# Altium PCB KlusterLab r2.0.PcbDoc (part 19 of 22) (continued)
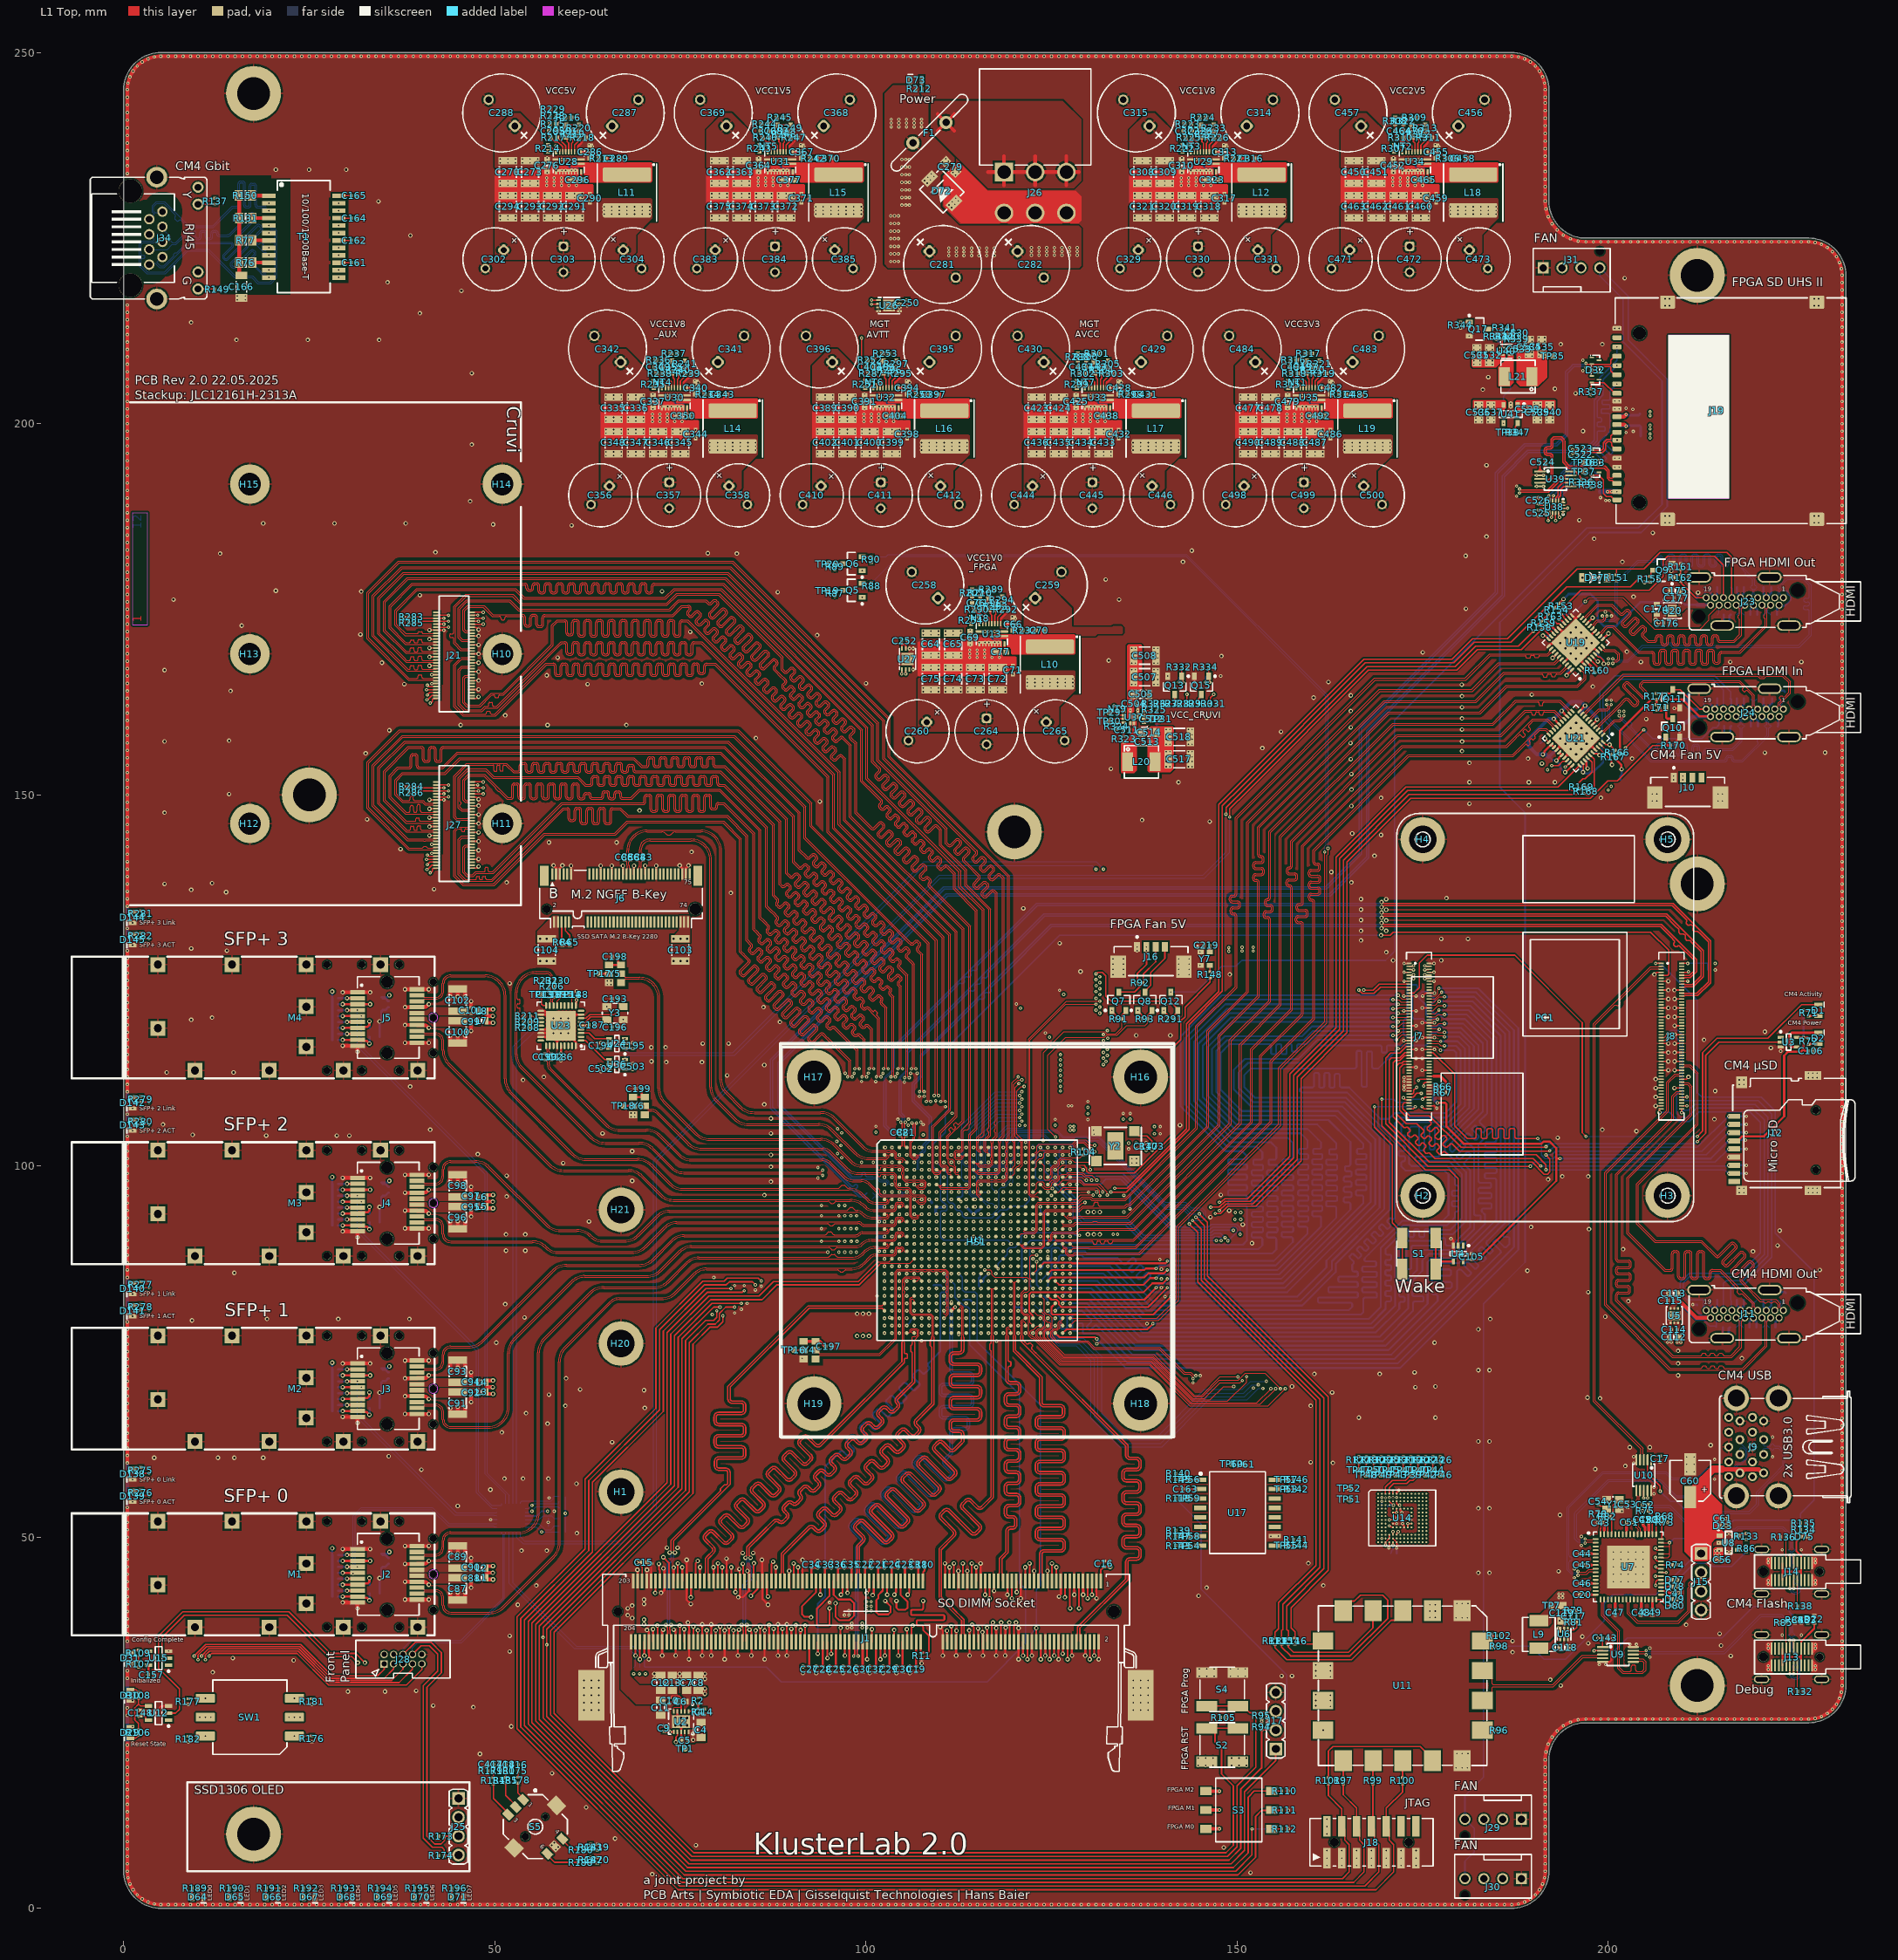
[diagram p0: L1 Top view]
## Nets (pads, with @x,y where several pads share a name; then routed paths per layer and width w, separated by ;. In a path a pad name is that pad's centre, name@x,y a point inside that pad or via, vN(x,y) a via of type N, cw(c..) or ccw(c..) an arc to the next point about the centre after c; other vN are vias at no path point) (continued)
SFP+_2_LOS: J4.8 R52.1 U1.R17 | length 270.4
  L1 Top w0.3: v2(30.1,92.8) J4.8@31.5,92.8
  L3 Inner2 (Sig) w0.1: v2(30.1,92.8) 20.383,92.8 18.3,94.883 18.3,128.4 18.3,129.849 16.9,131.249 16.9,138.551 12.75,142.701 12.75,171.499 20.151,178.9 43.886,178.9 58.649,178.9 111.049,126.5 117.849,126.5 127,117.349 127,113.7 v1(126.2,112.9)
  L10 Inner9 (Sig) w0.1: v1(118.5,88.5) 118.5,88.97 118.875,89.345 118.875,90.125 119.075,90.325 119.075,102.617 120.458,104 122.214,104 123.3,105.086 123.3,110 v1(126.2,112.9)
  L12 Bottom w0.3: R52.1@28.895,92.8 v2(30.1,92.8)
SFP+_2_MOD_ABS: J4.6 R46.1 | length 2.6
  L1 Top w0.3: v2(30.1,94.4) J4.6@31.5,94.4
  L12 Bottom w0.3: R46.1@28.895,94.4 v2(30.1,94.4)
SFP+_2_RS0: J4.7 R47.1 R48.1 | length 5.8
  L1 Top w0.3: v2(29.5,93.6) J4.7@31.5,93.6 31.65,93.75 32.85,93.75 33.1,94 v2(33.1,94.5)
  L12 Bottom w0.3: R47.1@28.895,93.6 v2(29.5,93.6) ; v2(33.1,94.5) 33.113,94.487 33.113,93.613 R48.1@33.125,93.6
SFP+_2_RS1: J4.9 R49.1 R51.1 | length 5.3
  L1 Top w0.3: v2(29.5,92) J4.9@31.5,92 31.65,91.85 32.75,91.85 v2(33.1,91.5)
  L12 Bottom w0.3: R51.1@28.895,92 v2(29.5,92) ; v2(33.1,91.5) 33.113,91.513 33.113,92.388 R49.1@33.125,92.4
SFP+_2_TX_DIS_LS: J4.3 Q3.3 R43.1 | length 5.2
  L1 Top w0.3: v2(29.5,96.8) v2(33.2,96.8)
  L12 Bottom w0.3: R43.1@28.895,96.8 v2(29.5,96.8) ; Q3.3@32.265,96.8 v2(33.2,96.8)
SFP+_2_TX_EN: Q3.1 R50.2 U1.N17 | length 259.4
  L3 Inner2 (Sig) w0.1: v2(35.8,98) 34.7,98 29.6,103.1 29.6,106.2 18.5,117.3 18.5,129.931 17.1,131.331 17.1,138.634 12.95,142.784 12.95,171.416 20.234,178.7 43.803,178.7 58.566,178.7 110.966,126.3 117.766,126.3 126.8,117.266 126.8,114.2 v1(126.2,113.6)
  L10 Inner9 (Sig) w0.1: v1(118.5,90.5) 118.875,90.875 118.875,102.7 120.375,104.2 122.131,104.2 123.1,105.169 123.1,110.5 v1(126.2,113.6)
  L12 Bottom w0.3: R50.2@35.7,97.195 35.65,97.195 35.27,97.575 34.91,97.575 Q3.1@34.735,97.75 35.55,97.75 v2(35.8,98)
SFP+_2_TX_FAULT: J4.2 R42.1 | length 2.6
  L1 Top w0.3: v2(30.1,97.6) J4.2@31.5,97.6
  L12 Bottom w0.3: R42.1@28.895,97.6 v2(30.1,97.6)
SFP+_3_ACT: R282.1 U1.R22 | length 243.5
  L1 Top w0.2: R282.1@2.3,130.605 v1(3.395,130.605)
  L3 Inner2 (Sig) w0.1: v1(3.395,130.605) 5.505,130.605 6.75,131.85 6.75,174.663 17.587,185.5 61.382,185.5 113.782,133.1 120.62,133.1 128.62,125.1 v1(131,125.1)
  L10 Inner9 (Sig) w0.1: v1(123.5,88.5) 123.1,88.9 122.4,88.9 121.9,89.4 121.9,94.603 122.275,94.978 122.275,96.675 122.896,97.296 122.896,98.729 123.267,99.1 123.799,99.1 123.909,99.21 123.909,99.864 124.1,100.055 124.1,103.1 124.7,103.7 124.7,107.8 127,110.1 127,121.4 130.685,125.085 130.985,125.085 v1(131,125.1)
SFP+_3_I2C_SCL: J5.5 R56.1 U22.15 | length 76.6
  L1 Top w0.3: v2(29.5,120.2) J5.5@31.5,120.2
  L12 Bottom w0.1: v1(32,120.2) 32,116.1 49,99.1 49,58.6 51.95,55.65 U22.15@51.95,54.513
  L12 Bottom w0.3: R56.1@28.895,120.2 v2(29.5,120.2)
SFP+_3_I2C_SDA: J5.4 R55.1 U22.14 | length 77.4
  L1 Top w0.3: v2(30.1,121) v1(31.5,121)
  L12 Bottom w0.1: v1(31.5,121) 31.5,116.1 48.7,98.9 48.7,58.5 51.45,55.75 U22.14@51.45,54.513
  L12 Bottom w0.3: R55.1@28.895,121 v2(30.1,121)
SFP+_3_Link: R281.1 U1.R20 | length 240.8
  L1 Top w0.2: R281.1@2.3,133.605 v1(3.395,133.605)
  L3 Inner2 (Sig) w0.1: v1(3.395,133.605) 4.855,133.605 6.55,135.3 6.55,174.746 17.504,185.7 61.465,185.7 113.865,133.3 120.702,133.3 128.502,125.5 v1(131.5,125.5)
  L10 Inner9 (Sig) w0.1: v1(121.5,88.5) 121.125,88.875 121.125,90.655 121.5,91.03 121.5,94.486 122.075,95.061 122.075,101.03 122.3,101.255 122.3,101.755 122.9,102.355 122.9,102.989 124.5,104.589 124.5,107.883 126.8,110.183 126.8,121.617 130.683,125.5 v1(131.5,125.5)
SFP+_3_LOS: J5.8 R63.1 U1.R16 | length 244.5
  L1 Top w0.3: v2(30.1,117.8) J5.8@31.5,117.8
  L3 Inner2 (Sig) w0.1: v2(30.1,117.8) 20.383,117.8 18.7,119.483 18.7,130.014 17.3,131.414 17.3,138.717 13.15,142.867 13.15,171.333 20.317,178.5 43.72,178.5 58.483,178.5 110.883,126.1 117.683,126.1 126.6,117.183 126.6,114.6 126.508,114.508 126.503,114.508 126.295,114.3 v1(126.2,114.3)
  L10 Inner9 (Sig) w0.1: v1(117.5,88.5) 118.1,89.1 118.1,102.7 119.8,104.4 122.049,104.4 122.9,105.251 122.9,111 v1(126.2,114.3)
  L12 Bottom w0.3: R63.1@28.895,117.8 v2(30.1,117.8)
SFP+_3_MOD_ABS: J5.6 R57.1 | length 2.6
  L1 Top w0.3: v2(30.1,119.4) J5.6@31.5,119.4
  L12 Bottom w0.3: R57.1@28.895,119.4 v2(30.1,119.4)
SFP+_3_RS0: J5.7 R58.1 R59.1 | length 5.8
  L1 Top w0.3: v2(29.5,118.6) J5.7@31.5,118.6 31.65,118.75 32.85,118.75 33.1,119 v2(33.1,119.5)
  L12 Bottom w0.3: R58.1@28.895,118.6 v2(29.5,118.6) ; v2(33.1,119.5) 33.113,119.488 33.113,118.613 R59.1@33.125,118.6
SFP+_3_RS1: J5.9 R60.1 R62.1 | length 5.3
  L1 Top w0.3: v2(29.5,117) J5.9@31.5,117 31.65,116.85 32.75,116.85 v2(33.1,116.5)
  L12 Bottom w0.3: R62.1@28.895,117 v2(29.5,117) ; v2(33.1,116.5) 33.113,116.513 33.113,117.388 R60.1@33.125,117.4
SFP+_3_TX_DIS_LS: J5.3 Q4.3 R54.1 | length 5.2
  L1 Top w0.3: v2(29.5,121.8) v2(33.2,121.8)
  L12 Bottom w0.3: R54.1@28.895,121.8 v2(29.5,121.8) ; Q4.3@32.265,121.8 v2(33.2,121.8)
SFP+_3_TX_EN: Q4.1 R61.2 U1.P16 | length 242.3
  L3 Inner2 (Sig) w0.1: v2(35.8,123) 34.7,123 33.7,124 20.4,124 18.9,125.5 18.9,126.7 18.9,130.097 17.5,131.497 17.5,138.8 13.35,142.95 13.35,171.25 20.4,178.3 58.4,178.3 110.8,125.9 117.6,125.9 126.4,117.1 126.4,115.2 v1(126.2,115)
  L10 Inner9 (Sig) w0.1: v1(117.5,89.5) 117.9,89.9 117.9,102.783 119.717,104.6 121.966,104.6 122.7,105.334 122.7,111.5 v1(126.2,115)
  L12 Bottom w0.3: R61.2@35.7,122.195 35.65,122.195 35.27,122.575 34.91,122.575 Q4.1@34.735,122.75 35.55,122.75 v2(35.8,123)
SFP+_3_TX_FAULT: J5.2 R53.1 | length 2.6
  L1 Top w0.3: v2(30.1,122.6) J5.2@31.5,122.6
  L12 Bottom w0.3: R53.1@28.895,122.6 v2(30.1,122.6)
SI5324_\R\S\T\: U23.1 U36.4 | length 4.8
  L1 Top w0.15: U23.1@61.61,116.9 62.227,116.9 64.777,114.35 U36.4@65.375,114.35
SI5324_\R\S\T\_LS: U1.V22 U36.3 | length 148.8
  L3 Inner2 (Sig) w0.1: v1(123.5,85.5) 123.9,85.9 123.9,88.717 123.717,88.9 123.217,88.9 122.9,89.217 122.9,89.717 122.692,89.925 122.266,89.925 121.9,90.291 121.9,92.8 122.2,93.1 126.5,93.1 127.125,92.475 127.125,90.345 127.37,90.1 132.6,90.1 v1(133.3,90.8)
  L10 Inner9 (Sig) w0.1: v1@131.002,139.998 131.9,139.1 131.9,121.1 133,120 133,113.876 132.75,113.626 132.75,113.354 132.4,113.004 132.4,110.442 133.2,109.642 133.2,106.8 133.7,106.3 133.7,97.45 133.9,97.25 133.9,91.8 133.3,91.2 v1(133.3,90.8)
  L12 Bottom w0.1: v1(67.525,114.35) 68.075,114.9 82.305,114.9 107.902,140.498 130.502,140.498 v1@131.002,139.998
  other v1: 131.002,139.999
SI5324_I\N\I\T\: U23.3 U24.4 | length 4.1
  L1 Top w0.15: U23.3@61.61,117.9 62.7,117.9 63.45,117.15 U24.4@65.375,117.15
SI5324_I\N\I\T\_LS: U1.V24 U24.3 | length 152.2
  L3 Inner2 (Sig) w0.1: v1(125.5,85.5) 124.7,85.5 124.1,86.1 124.1,88.8 123.8,89.1 123.3,89.1 123.1,89.3 123.1,89.8 122.775,90.125 122.349,90.125 122.1,90.374 122.1,92.7 122.3,92.9 126.417,92.9 126.925,92.392 126.925,90.262 127.287,89.9 133,89.9 v1(133.9,90.8)
  L10 Inner9 (Sig) w0.1: v1@132.002,139.998 132.002,139.28 132.1,139.183 132.1,121.2 133.2,120.1 133.2,113.793 132.95,113.543 132.95,113.271 132.6,112.921 132.6,110.525 133.4,109.725 133.4,106.9 133.7,106.6 133.7,106.583 133.9,106.383 133.9,97.7 134.1,97.5 134.1,91.6 133.9,91.4 v1(133.9,90.8)
  L12 Bottom w0.1: v1(67.525,117.152) 67.525,115.759 68.034,115.25 82.05,115.25 107.8,141 131,141 v1@132,140
  other v1: 132.002,139.999
SI5324_OUT_N: C192.1 U23.29 | length 1.3
  L1 Top w0.114: U23.29@57.4,116.19 57.4,115.86 57.27,115.73 57.27,115.531 57.32,115.481 57.32,115.295 57.387,115.228 57.467,115.228 C192.1@57.6,115.095
SI5324_OUT_P: C190.1 U23.28 | length 1.3
  L1 Top w0.114: C190.1@56.8,115.095 56.933,115.228 57.013,115.228 57.08,115.295 57.08,115.4 57.03,115.45 57.03,115.73 56.9,115.86 U23.28@56.9,116.19
SI5324_REFCLK_N: C192.2 R17.2 U1.K5 | length 60.9
  L1 Top w0.1: 100.9,97.31 100.9,97.3 101.127,97.073 101.235,96.965 101.271,96.929 ccw(c101.368,97.027) 101.465,96.929 101.472,96.937 cw(c101.569,96.839) 101.667,96.937 101.861,96.742 cw(c101.764,96.645) 101.861,96.548 101.854,96.54 ccw(c101.951,96.443) 101.854,96.346 102.088,96.113 102.1,96.1 103.334,96.1 105.749,96.1 106.1,95.749 106.1,94.749 106.1,93.3 106.3,93.1 106.841,93.1 106.9,93.159 106.9,93.365 106.841,93.423 106.577,93.423 v1(106.5,93.5)
  L1 Top w0.114: 57.359,114.144 57.354,114.139 ccw(c57.434,114.058) 57.32,114.058 57.32,113.742 ccw(c58.196,113.742) 57.577,113.123 65.008,105.692 ccw(c66.822,107.506) 66.822,104.941 70.397,104.941 cw(c70.397,102.135) 72.381,104.119 74.929,101.571 ccw(c76.45,103.091) 76.449,100.941 94.064,100.941 cw(c94.064,99.164) 95.32,100.42 96.971,98.769 97.029,98.712 ccw(c98.457,100.14) 98.457,98.12 99.36,98.12 cw(c99.36,96.36) 100.605,97.605 100.9,97.31 ; 57.359,114.144 cw(c57.427,114.076) 57.427,114.172 ccw(c57.427,114.268) 57.495,114.2 C192.2@57.6,114.305
SI5324_REFCLK_P: C190.2 R17.1 U1.K6 | length 61.3
  L1 Top w0.1: 100.73,97.139 100.739,97.139 100.9,96.979 101.979,95.9 105.666,95.9 105.9,95.666 105.9,94.666 105.9,93.217 106.217,92.9 106.924,92.9 107.1,93.076 107.1,93.365 107.159,93.423 107.423,93.423 v1(107.5,93.5)
  L1 Top w0.114: C190.2@56.8,114.305 56.905,114.2 ccw(c56.973,114.268) 56.973,114.172 cw(c56.973,114.076) 57.041,114.144 57.046,114.139 cw(c56.966,114.058) 57.08,114.058 57.08,113.634 ccw(c57.934,113.634) 57.33,113.03 64.838,105.522 ccw(c66.822,107.506) 66.822,104.7 70.397,104.7 cw(c70.397,102.135) 72.211,103.949 74.759,101.4 ccw(c76.45,103.091) 76.449,100.7 94.064,100.7 cw(c94.064,99.164) 95.15,100.25 96.929,98.471 ccw(c98.357,99.899) 98.357,97.88 99.36,97.88 cw(c99.36,96.36) 100.435,97.435 100.73,97.139
SI5324_SCL: R209.1 U22.17 U23.22 | length 67.5
  L1 Top w0.114: R209.1@54.795,119.4 U23.22@56.19,119.4
  L12 Bottom w0.114: U22.17@52.95,54.513 52.95,115.75 55.5,118.3 55.5,118.9 v1(55,119.4)
SI5324_SDA: R208.1 U22.16 U23.23 | length 66.7
  L1 Top w0.114: R208.1@54.795,118.6 v1(54.973,118.6) 55.15,118.6 55.45,118.9 U23.23@56.19,118.9
  L12 Bottom w0.1: U22.16@52.45,54.513 52.45,116.077 v1(54.973,118.6)
SMBUSz: TP28.1 U7.39 | length 0.7
  L1 Top w0.15: U7.39@207.1,45.25 v1(207.8,45.25)
Switch_0: R176.2 SW1.1 U1.E25 | length 341.9
  L1 Top w0.1: R176.2@25.315,23.21 R176.2@25.35,23.245 ; U1.E25@126.5,98.5 126.934,98.5 127.334,98.9 129.064,98.9 129.447,98.517 129.983,98.517 v1(130.4,98.1)
  L1 Top w0.15: v1(23,23.21) R176.2@25.315,23.21
  L3 Inner2 (Sig) w0.1: v1(23,23.21) 24.4,24.61 24.4,28.2 23.45,29.15 16.081,29.15 13.9,31.331 13.9,44.177 13.1,44.977 13.1,54.6 13.9,55.4 13.9,69.177 13.1,69.977 13.1,79.6 13.9,80.4 13.9,94.177 13.1,94.977 13.1,104.6 13.9,105.4 13.9,119.177 13.1,119.977 13.1,138.675 10.15,141.625 10.15,172.576 19.074,181.5 44.963,181.5 59.725,181.5 112.125,129.1 118.949,129.1 131.149,116.9 v1(132,116.9)
  L10 Inner9 (Sig) w0.1: v1(130.4,98.1) 131.9,99.6 131.9,105.3 131.4,105.8 131.4,108.897 130.6,109.697 130.6,115.8 131.685,116.885 131.985,116.885 v1(132,116.9)
Switch_1: R177.2 SW1.2 U1.E26 | length 328.7
  L1 Top w0.1: U1.E26@127.5,98.5 129.1,98.5 129.5,98.1 v1(129.7,98.1)
  L1 Top w0.15: R177.2@8.7,28.245 10.955,28.245 v1(11,28.29)
  L3 Inner2 (Sig) w0.1: v1(11,28.29) 11,28.634 13.7,31.334 13.7,44.094 12.9,44.894 12.9,54.7 13.7,55.5 13.7,69.094 12.9,69.894 12.9,79.7 13.7,80.5 13.7,94.094 12.9,94.894 12.9,104.7 13.7,105.5 13.7,119.094 12.9,119.894 12.9,138.592 9.95,141.542 9.95,172.658 18.992,181.7 45.046,181.7 59.808,181.7 112.208,129.3 119.031,129.3 131.031,117.3 132.155,117.3 132.205,117.25 132.55,117.25 v1(132.58,117.22)
  L10 Inner9 (Sig) w0.1: v1(129.7,98.1) 131.7,100.1 131.7,105.2 131.2,105.7 131.2,108.814 130.4,109.614 130.4,115.883 131.792,117.275 132.525,117.275 v1(132.58,117.22)
Switch_2: R181.2 SW1.4 U1.D25 | length 342.8
  L1 Top w0.1: R181.2@25.305,28.29 R181.2@25.35,28.245 ; U1.D25@126.5,99.5 126.9,99.9 128.862,99.9 v1(129.268,99.494)
  L1 Top w0.15: v1(23,28.29) R181.2@25.305,28.29
  L3 Inner2 (Sig) w0.1: v1(23,28.29) 21.81,27.1 11.3,27.1 10.45,27.95 10.45,28.561 13.5,31.611 13.5,44.011 12.7,44.811 12.7,54.8 13.5,55.6 13.5,69.011 12.7,69.811 12.7,79.8 13.5,80.6 13.5,94.011 12.7,94.811 12.7,104.8 13.5,105.6 13.5,119.011 12.7,119.811 12.7,138.509 9.75,141.459 9.75,172.741 18.909,181.9 45.128,181.9 59.891,181.9 112.291,129.5 119.114,129.5 130.914,117.7 v1(132,117.7)
  L10 Inner9 (Sig) w0.1: v1(129.268,99.494) 129.662,99.1 130.4,99.1 131.5,100.2 131.5,105.1 131,105.6 131,108.731 130.2,109.531 130.2,115.966 131.934,117.7 v1(132,117.7)
Switch_3: R182.2 SW1.8 U1.C22 | length 343.8
  L1 Top w0.1: U1.C22@123.5,100.5 124,100 124,98.25 124.15,98.1 124.693,98.1 125.1,98.507 125.1,99.666 125.334,99.9 125.8,99.9 126.1,100.2 126.1,100.666 126.334,100.9 127.666,100.9 128.066,100.5 129.9,100.5 130.21,100.19 130.21,99.506 v1(130.226,99.49)
  L1 Top w0.15: R182.2@8.7,23.195 10.985,23.195 v1(11,23.21)
  L3 Inner2 (Sig) w0.1: v1(11,23.21) 9.632,24.578 9.632,28.194 13.3,31.861 13.3,43.928 12.5,44.728 12.5,54.9 13.3,55.7 13.3,68.928 12.5,69.728 12.5,79.9 13.3,80.7 13.3,93.928 12.5,94.728 12.5,104.9 13.3,105.7 13.3,118.928 12.5,119.728 12.5,138.426 9.55,141.376 9.55,172.824 18.826,182.1 45.211,182.1 ; 45.211,182.1 59.974,182.1 112.374,129.7 119.203,129.7 130.703,118.2 132.5,118.2 v1(132.53,118.23)
  L10 Inner9 (Sig) w0.1: v1(130.226,99.49) 131.3,100.563 131.3,105 130.8,105.5 130.8,108.648 130,109.448 130,116.23 131.995,118.225 132.525,118.225 v1(132.53,118.23)
SYS_FAN_PWM: Q12.2 R291.1 U1.C19 | length 46.8
  L1 Top w0.15: v1(131,125.9) 131.051,125.9 131.238,126.087 131.832,126.087 132.329,125.589 132.329,122.888 133.017,122.2 140.921,122.2 141.756,121.365 141.775,121.365 142.025,121.115 Q12.2@142.025,120.965 142.025,120.815 141.475,120.265 141.475,119.805 R291.1@141.47,119.8
  L10 Inner9 (Sig) w0.1: v1(120.5,100.5) 120.567,100.567 120.567,100.967 120.956,101.356 120.956,102.436 121.345,102.825 121.655,102.825 122.23,103.4 122.463,103.4 123.9,104.837 123.9,109.1 125.913,111.113 126.343,111.113 126.6,111.37 126.6,121.9 130.535,125.835 130.935,125.835 v1(131,125.9)
TEMP_I2C_SCL: Q6.3 R89.1 TP20.1 U26.2 U27.2 | length 136.6
  L1 Top w0.15: TP20.1@94.8,181.1 94.82,181.12 95.782,181.12 v1(95.802,181.14) Q6.3@97.005,181.14 ; v1(100.752,216.1) 100.777,216.125 101.662,216.125 U26.2@101.688,216.15 ; v1(105.35,166.3) U27.2@105.35,166.888 U27.2@105.375,166.863
  L10 Inner9 (Sig) w0.15: v1@95.792,181.13 96.85,180.072 96.85,176.504 97.704,175.65 102.25,175.65 104.05,173.85 104.05,168 105.35,166.7 v1(105.35,166.3) ; v1(100.752,216.1) 100.752,214.894 101.718,213.928 133.651,213.928 142.963,204.616 142.963,188.207 120.356,165.6 106.05,165.6 v1(105.35,166.3) ; v1@105.35,166.284 v1(105.35,166.3)
TEMP_I2C_SCL_LS: Q6.2 R90.1 U1.AE26 | length 176.6
  L1 Top w0.1: R90.1@100.697,182.1 v1(100.7,182.097) ; U1.AE26@127.5,78.5 128.221,79.221 139.421,79.221 142.1,81.9 142.1,91.7 155.891,105.491 155.891,113.091 162.1,119.3 162.1,141.871 162.25,142.021 v1(162.25,142.8)
  L1 Top w0.15: Q6.2@99.485,182.1 R90.1@100.697,182.1
  L12 Bottom w0.1: v1(100.7,182.097) 102.697,182.097 103,182.4 143.2,182.4 162.25,163.35 v1(162.25,142.8)
TEMP_I2C_SDA: Q5.3 R87.1 TP19.1 U26.1 U27.1 | length 134.9
  L1 Top w0.15: TP19.1@94.8,177.473 94.836,177.509 95.766,177.509 v1(95.802,177.545) 97.01,177.545 Q5.3@97.015,177.55 ; v1(100.752,216.65) U26.1@101.688,216.65 ; v1(104.8,166.3) 104.825,166.325 104.825,166.863 U27.1@104.85,166.888
  L10 Inner9 (Sig) w0.15: v1(95.802,177.545) 96.45,176.895 96.45,176.4 97.526,175.324 102.083,175.324 103.691,173.715 103.691,167.859 104.8,166.75 v1(104.8,166.3) 104.8,166.284 105.834,165.25 120.501,165.25 143.35,188.099 143.35,204.874 133.924,214.3 101.9,214.3 101.19,215.01 101.19,216.228 100.768,216.65 v1(100.752,216.65)
TEMP_I2C_SDA_LS: Q5.2 R88.1 U1.AD26 | length 176.7
  L1 Top w0.1: R88.1@100.703,178.5 v1(100.75,178.547) ; U1.AD26@127.5,79.5 139.2,79.5 141.8,82.1 141.8,91.824 155.591,105.615 155.591,113.215 161.8,119.424 v1(161.8,142.3)
  L1 Top w0.15: Q5.2@99.485,178.5 R88.1@100.703,178.5
  L12 Bottom w0.1: v1(100.75,178.547) 104.353,182.15 143.096,182.15 162,163.246 162,143.249 161.8,143.049 v1(161.8,142.3)
UART_USB_C\T\S\: R113.2 U1.F18 | length 100.6
  L1 Top w0.166: v1(143.55,92.2) 144.7,91.05 144.7,84.35 160.6,68.45 160.6,46.2 155.584,41.184 155.584,37.684 155.1,37.2 R113.2@155.1,36.395
  L12 Bottom w0.1: v1(119.5,97.5) 119.8,97.8 119.8,100.9 120.1,101.2 120.1,103.4 120.733,104.033 123.967,104.033 124.72,103.28 131.271,103.28 140.351,94.2 142.732,94.2 143.55,93.382 v1(143.55,92.2)
UART_USB_R\T\S\: R114.2 U1.B17 | length 101.6
  L1 Top w0.166: v1(144.45,93.1) 145.6,91.95 145.6,84.864 161.7,68.764 161.7,45.744 156.684,40.729 156.684,37.566 156.9,37.35 R114.2@156.9,36.395
  L12 Bottom w0.1: v1(118.5,101.5) 118.9,101.9 118.9,103.9 119.7,104.7 125.566,104.7 126.472,103.794 130.418,103.794 130.487,103.725 130.963,103.725 131.032,103.794 131.323,103.794 140.317,94.8 142.984,94.8 143.733,94.051 145.113,94.051 145.45,93.714 145.45,93.3 145.25,93.1 v1(144.45,93.1)
UART_USB_RxD: R115.2 U1.A17 | length 101.9
  L1 Top w0.166: v1(144,92.65) 145.15,91.5 145.15,84.607 161.166,68.591 161.166,45.966 156.15,40.95 156.15,37.55 156,37.4 R115.2@156,36.395
  L12 Bottom w0.1: v1(118.5,102.5) 118.5,103.883 119.517,104.9 125.649,104.9 126.543,104.005 130.49,104.005 130.57,103.925 130.88,103.925 130.96,104.005 131.395,104.005 140.3,95.1 143.082,95.1 143.844,94.339 145.307,94.339 145.759,93.887 145.759,93.083 145.326,92.65 v1(144,92.65)
UART_USB_TxD: R116.2 U1.K15 | length 108.4
  L1 Top w0.166: v1(144.9,93.55) 146,92.45 146,85.171 162.266,68.906 162.266,45.51 157.25,40.494 157.25,37.775 157.8,37.225 R116.2@157.8,36.395
  L12 Bottom w0.1: v1(116.5,93.5) 117.05,93.5 117.9,94.35 117.9,96.8 118.2,97.1 118.7,97.1 119,97.4 119,97.6 119.5,98.1 119.5,100.9 119.9,101.3 119.9,103.483 120.651,104.233 124.067,104.233 124.82,103.48 131.354,103.48 140.334,94.5 142.832,94.5 143.782,93.55 v1(144.9,93.55)
USB_CM4Flash_N: D81.1 J14.A6 J14.B6 U10.8 | length 36
  L1 Top w0.146: v1(204.76,55.299) 204.773,55.312 U10.8@204.773,56.27 ; v1(224.45,47.6) 224.463,47.588 224.463,46.508 J14.A6@224.475,46.496 ; J14.B6@224.975,44.221 224.988,44.208 224.988,43.129 v1(225,43.116)
  L12 Bottom w0.146: v1(204.76,55.299) 204.76,55.217 204.899,55.078 204.899,54.694 205.583,54.01 208.24,54.01 210.423,51.827 213.323,51.827 214.3,50.85 217.186,50.85 217.496,51.16 223.44,51.16 224.588,50.012 224.588,49.45 224.588,48.588 224.502,48.502 224.477,48.502 D81.1@224.275,48.3 224.477,48.098 224.535,48.098 224.588,48.045 224.588,47.82 224.45,47.682 v1(224.45,47.6) 224.45,47.518 224.588,47.38 224.588,46.075 225.6,45.063 225.6,44.828 225.6,44.487 cw(c225.454,44.487) 225.454,44.34 225.187,44.34 ccw(c225.187,44.204) 225.051,44.204 225.051,43.931 ccw(c225.187,43.931) 225.187,43.794 225.454,43.794 cw(c225.454,43.648) 225.6,43.648 225.6,43.574 225.6,42.808 225.39,42.598 225.006,42.598 224.848,42.757 224.848,42.882 225,43.034 v1(225,43.116)
USB_CM4Flash_P: D76.1 J14.A7 J14.B7 U10.9 | length 36
  L1 Top w0.146: U10.9@205.298,56.271 205.298,55.311 v1(205.31,55.299) ; v1(224.45,43.116) 224.463,43.129 224.463,44.208 J14.B7@224.475,44.221 ; J14.A7@224.975,46.496 224.988,46.508 224.988,47.588 v1(225,47.6)
  L12 Bottom w0.146: v1(205.31,55.299) 205.31,55.217 205.172,55.078 205.172,54.807 205.696,54.283 208.353,54.283 210.536,52.1 213.436,52.1 214.413,51.123 217.073,51.123 217.383,51.433 223.553,51.433 223.633,51.353 224.862,50.124 224.862,49.45 224.862,48.588 224.948,48.502 224.973,48.502 D76.1@225.175,48.3 224.973,48.098 224.915,48.098 224.862,48.045 224.862,47.82 225,47.682 v1(225,47.6) 225,47.518 224.862,47.38 224.862,46.188 225.873,45.176 225.873,44.372 225.873,42.704 225.508,42.338 224.918,42.338 224.602,42.654 224.602,42.882 224.45,43.034 v1(224.45,43.116)
USB_HUB_RST: C52.1 R75.1 U7.50 | length 4.2
  L1 Top w0.15: C52.1@205.395,54.35 205.395,53.5 205.522,53.373 205.537,53.373 205.95,52.96 U7.50@205.95,50.4
USB_MUX_SEL: C55.1 R83.2 R84.2 U9.2 | length 33
  L1 Top w0.166: v1(198.1,34.7) U9.2@199.233,34.7 ; v1(225.16,39.213) R83.2@226.86,39.213
  L12 Bottom w0.166: v1(198.1,34.7) 200.9,34.7 202.6,36.4 215.3,36.4 219.55,40.65 223.723,40.65 v1(225.16,39.213)
USB_OVRCURR: R133.2 U7.43 U7.44 U7.46 U7.47 U8.5 | length 19.6
  L1 Top w0.146: U7.43@207.1,47.25 208.05,47.25 208.25,47.45 208.25,47.75 ; U7.44@207.1,47.75 208.25,47.75 ; U7.46@207.1,48.75 208.128,48.75 ; U7.47@207.1,49.25 v1(208.25,49.25) 208.25,48.872 ; 208.25,47.628 208.128,47.75 ; 208.25,48.628 208.128,48.75 ; U8.5@217.45,50.2 217.6,50.35 218,50.35 218.065,50.415 218.52,50.415 v1(218.6,50.495) ; 208.128,47.75 208.25,47.872 208.25,47.75 ; 208.128,47.75 208.25,47.75 ; 208.128,48.75 208.25,48.75 ; 208.128,48.75 208.25,48.872 ; 208.25,47.75 208.25,48.75 ; 208.25,48.75 208.25,48.872
  L12 Bottom w0.15: v1(208.25,49.25) 208.85,49.85 217.955,49.85 v1(218.6,50.495)
USB_PWR_EN: D77.2 D78.2 D79.2 D80.2 R86.2 U8.4 | length 16.4
  L1 Top w0.146: U8.4@217.45,48.3 218,48.3 218.15,48.15 218.505,48.15 v1(218.6,48.055)
  L12 Bottom w0.15: v1(209.35,40.75) v1(209.35,41.65) 209.9,42.2 209.9,42.8 v1(209.35,43.35) v1(209.35,44.25) 211.573,46.473 213.627,46.473 214.05,46.05 216.595,46.05 v1(218.6,48.055)
USER_LED_0: R189.2 U1.G21 | length 395.7
  L1 Top w0.1: U1.G21@122.5,96.5 122.5,96.525 122.525,96.525 122.975,96.975 122.975,97.675 123.2,97.9 123.775,97.9 124.025,97.65 124.025,97.315 124.24,97.1 124.688,97.1 125.019,97.431 125.019,97.635 125.283,97.9 125.749,97.9 126.1,98.251 126.1,98.666 126.344,98.91 127.004,98.91 127.194,99.1 129.179,99.1 129.532,98.747 130.453,98.747 v1(131.1,98.1)
  L1 Top w0.2: R189.2@9.895,2.6 R189.2@9.995,2.7 v1(10.9,2.7)
  L3 Inner2 (Sig) w0.1: v1(10.9,2.7) 12.3,4.1 39.286,4.1 39.7,4.514 39.7,21.22 15.9,45.02 15.9,128.7 14.5,130.1 14.5,137.557 10.35,141.707 10.35,172.493 19.157,181.3 44.88,181.3 59.643,181.3 112.043,128.9 118.866,128.9 131.266,116.5 v1(132.5,116.5)
  L10 Inner9 (Sig) w0.1: v1(131.1,98.1) 132.1,99.1 132.1,105.4 131.6,105.9 131.6,108.98 130.8,109.78 130.8,115.7 131.6,116.5 v1(132.5,116.5)
USER_LED_1: R190.2 U1.J26 | length 383.8
  L1 Top w0.1: U1.J26@127.5,94.5 128.6,94.5 129.133,95.033 129.433,95.033 v1(129.5,95.1)
  L1 Top w0.2: R190.2@14.995,2.7 v1(15.9,2.7)
  L3 Inner2 (Sig) w0.1: v1(15.9,2.7) 17.1,3.9 39.369,3.9 39.9,4.431 39.9,21.303 16.1,45.103 16.1,128.783 14.7,130.183 14.7,137.64 10.55,141.79 10.55,172.41 19.24,181.1 44.797,181.1 59.56,181.1 111.96,128.7 118.783,128.7 131.383,116.1 v1(132,116.1)
  L10 Inner9 (Sig) w0.1: v1(129.5,95.1) 129.5,96.6 130.433,97.533 131.067,97.533 132.3,98.766 132.3,105.5 131.8,106 131.8,109.062 131,109.862 131,115.6 131.5,116.1 v1(132,116.1) v1@131.985,116.085
USER_LED_2: R191.2 U1.G26 | length 377.8
  L1 Top w0.1: U1.G26@127.577,96.423 127.735,96.423 127.759,96.4 128.794,96.4 128.869,96.475 v1(130,96.475)
  L1 Top w0.2: R191.2@19.995,2.7 v1(20.9,2.7)
  L3 Inner2 (Sig) w0.1: v1(20.9,2.7) 21.9,3.7 39.451,3.7 40.1,4.349 40.1,21.386 16.3,45.186 16.3,128.883 14.9,130.283 14.9,137.723 10.75,141.873 10.75,172.327 19.323,180.9 44.714,180.9 59.477,180.9 111.877,128.5 118.7,128.5 131.5,115.7 v1(132.5,115.7)
  L10 Inner9 (Sig) w0.1: v1(130,96.475) 130.075,96.475 130.9,97.3 131.117,97.3 132.5,98.683 132.5,105.7 132,106.2 132,109.145 131.2,109.945 131.2,115.4 131.5,115.7 v1(132.5,115.7)
USER_LED_3: R192.2 U1.H26 | length 372.3
  L1 Top w0.1: U1.H26@127.5,95.5 128.304,95.5 128.904,96.1 v1(130.6,96.1)
  L1 Top w0.2: R192.2@24.995,2.7 v1(25.9,2.7)
  L3 Inner2 (Sig) w0.1: v1(25.9,2.7) 26.7,3.5 39.534,3.5 40.3,4.266 40.3,21.469 16.5,45.269 16.5,129 15.1,130.4 15.1,137.806 10.95,141.956 10.95,172.244 19.406,180.7 44.631,180.7 59.394,180.7 111.794,128.3 118.603,128.3 131.603,115.3 v1(132,115.3)
  L10 Inner9 (Sig) w0.1: v1(130.6,96.1) 130.6,96.7 131,97.1 131.2,97.1 132.7,98.6 132.7,105.8 132.2,106.3 132.2,109.228 131.4,110.028 131.4,115.1 131.6,115.3 v1(132,115.3)
USER_LED_4: R193.2 U1.G25 | length 368.6
  L1 Top w0.1: U1.G25@126.5,96.5 126.9,96.9 128.206,96.9 128.256,96.85 130.75,96.85 v1(131.1,96.5)
  L1 Top w0.2: R193.2@30,2.7 v1(30.905,2.7)
  L3 Inner2 (Sig) w0.1: v1(30.905,2.7) 31.505,3.3 39.617,3.3 40.5,4.183 40.5,21.551 16.7,45.351 16.7,129.1 15.3,130.5 15.3,137.889 11.15,142.039 11.15,172.161 19.489,180.5 44.549,180.5 59.311,180.5 111.711,128.1 118.52,128.1 131.718,114.902 132.134,114.902 132.135,114.9 v1(132.5,114.9)
  L10 Inner9 (Sig) w0.1: v1(131.1,96.5) 131.1,96.595 131.29,96.785 131.29,96.873 132.9,98.483 132.9,105.9 132.4,106.4 132.4,109.311 131.6,110.111 131.6,110.4 131.6,114.7 131.8,114.9 v1(132.5,114.9)
USER_LED_5: R194.2 U1.F24 | length 366.2
  L1 Top w0.1: U1.F24@125.5,97.5 125.934,97.5 126.534,98.1 128.9,98.1 129.4,97.6 131.4,97.6 132.5,96.5 v1(132.5,96.1)
  L1 Top w0.2: R194.2@34.995,2.7 v1(35.9,2.7)
  L3 Inner2 (Sig) w0.1: v1(35.9,2.7) 36.3,3.1 39.7,3.1 40.7,4.1 40.7,21.634 16.9,45.434 16.9,129.2 15.5,130.6 15.5,137.972 11.35,142.122 11.35,172.078 19.572,180.3 44.466,180.3 59.228,180.3 111.628,127.9 118.437,127.9 131.637,114.7 131.71,114.7 131.885,114.525 v1(131.977,114.525)
  L10 Inner9 (Sig) w0.1: v1(131.977,114.525) 132.475,114.525 132.7,114.3 132.7,113.859 132.55,113.709 132.55,113.437 132.2,113.086 132.2,110.36 133,109.56 133,106.7 133.5,106.2 133.5,97.7 132.5,96.7 v1(132.5,96.1)
USER_LED_6: R195.2 U1.F25 | length 359.1
  L1 Top w0.1: U1.F25@126.5,97.5 126.934,97.5 127.334,97.9 128.8,97.9 129.3,97.4 131.2,97.4 131.9,96.7 v1(131.9,96.5)
  L1 Top w0.2: R195.2@39.995,2.7 v1(40.9,2.7)
  L3 Inner2 (Sig) w0.1: v1(40.9,2.7) 40.9,21.717 17.1,45.517 17.1,129.3 15.7,130.7 15.7,138.054 11.55,142.204 11.55,171.996 19.654,180.1 44.383,180.1 59.146,180.1 111.546,127.7 118.354,127.7 131.5,114.554 131.5,114.3 131.7,114.1 v1(132.325,114.099) v1(132.325,114.099)
  L10 Inner9 (Sig) w0.1: v1(131.9,96.5) 133.3,97.9 133.3,106.1 132.8,106.6 132.8,109.477 132,110.277 132,113.169 132.35,113.52 132.35,114.074 v1(132.325,114.099)
USER_LED_7: R196.2 U1.G24 | length 363.5
  L1 Top w0.1: U1.G24@125.5,96.5 125.934,96.5 126.534,97.1 128,97.1 128.289,97.1 128.339,97.05 131.08,97.05 131.5,96.63 v1(131.5,96)
  L1 Top w0.2: R196.2@45,2.7 v1(45.905,2.7)
  L3 Inner2 (Sig) w0.1: v1(45.905,2.7) 45.505,3.1 42.1,3.1 41.1,4.1 41.1,21.8 17.3,45.6 17.3,129.383 15.9,130.783 15.9,138.137 11.75,142.287 11.75,171.913 19.737,179.9 44.3,179.9 59.063,179.9 111.463,127.5 118.272,127.5 131.2,114.572 131.2,114.1 131.6,113.7 131.95,113.7 v1(131.975,113.675)
  L10 Inner9 (Sig) w0.1: v1(131.5,96) 131.5,96.8 133.1,98.4 133.1,106 132.6,106.5 132.6,109.394 131.8,110.194 131.8,110.8 131.8,112.583 131.8,113.441 131.975,113.616 v1(131.975,113.675)
uUSB_N: D25.1 J13.A6 J13.B6 U9.8 | length 36.3
  L1 Top w0.146: U9.8@203.367,34.2 204.038,34.2 204.144,34.306 204.887,34.306 205.018,34.175 v1(205.1,34.175) ; J13.A6@224.475,34.996 224.463,35.008 224.463,36.088 v1@224.475,36.075 ; J13.B6@224.975,32.721 224.988,32.708 v1@224.988,31.629 ; v1(225,31.616) v1@225.012,31.604
  L12 Bottom w0.146: v1(205.1,34.175) 205.182,34.175 205.32,34.313 215.65,34.313 220.637,39.3 223.25,39.3 224.588,37.962 224.588,37.088 224.502,37.002 224.477,37.002 D25.1@224.275,36.8 224.3,36.8 224.599,36.501 224.599,36.331 224.45,36.182 v1(224.45,36.1) ; v1@224.463,36.088 224.463,36.005 224.601,35.866 224.601,34.75 224.746,34.605 225.612,33.739 225.612,33.292 225.612,32.938 cw(c225.466,32.938) 225.466,32.791 224.985,32.791 ccw(c224.985,32.655) 224.848,32.655 224.848,32.381 ccw(c224.985,32.381) 224.985,32.245 225.466,32.245 cw(c225.466,32.098) 225.612,32.098 225.612,32.025 225.612,31.296 225.403,31.086 225.019,31.086 224.861,31.244 224.861,31.37 225.012,31.521 v1@225.012,31.604
uUSB_P: D24.1 J13.A7 J13.B7 U9.9 | length 36.4
  L1 Top w0.146: U9.9@203.367,34.7 204.028,34.7 204.148,34.58 204.873,34.58 205.018,34.725 v1(205.1,34.725) ; v1(224.45,31.616) 224.463,31.629 224.463,32.708 J13.B7@224.475,32.721 ; J13.A7@224.975,34.996 224.988,35.008 224.988,36.088 v1(225,36.1)
  L12 Bottom w0.146: v1(205.1,34.725) 205.182,34.725 205.32,34.587 215.537,34.587 220.523,39.573 223.363,39.573 224.862,38.075 224.862,37.113 224.948,37.027 224.948,37.002 D24.1@225.15,36.8 ; v1(224.45,31.616) 224.45,31.534 224.588,31.396 224.588,31.152 224.909,30.83 225.496,30.83 225.86,31.194 225.86,33.842 224.849,34.853 224.849,35.866 225,36.018 225,36.182 224.872,36.31 224.872,36.522 D24.1@225.15,36.8 ; D24.1@225.15,36.8 D24.1@225.175,36.8 D24.1@225.15,36.8